# Altium PCB graviton.PcbDoc (part 11 of 15) (continued)
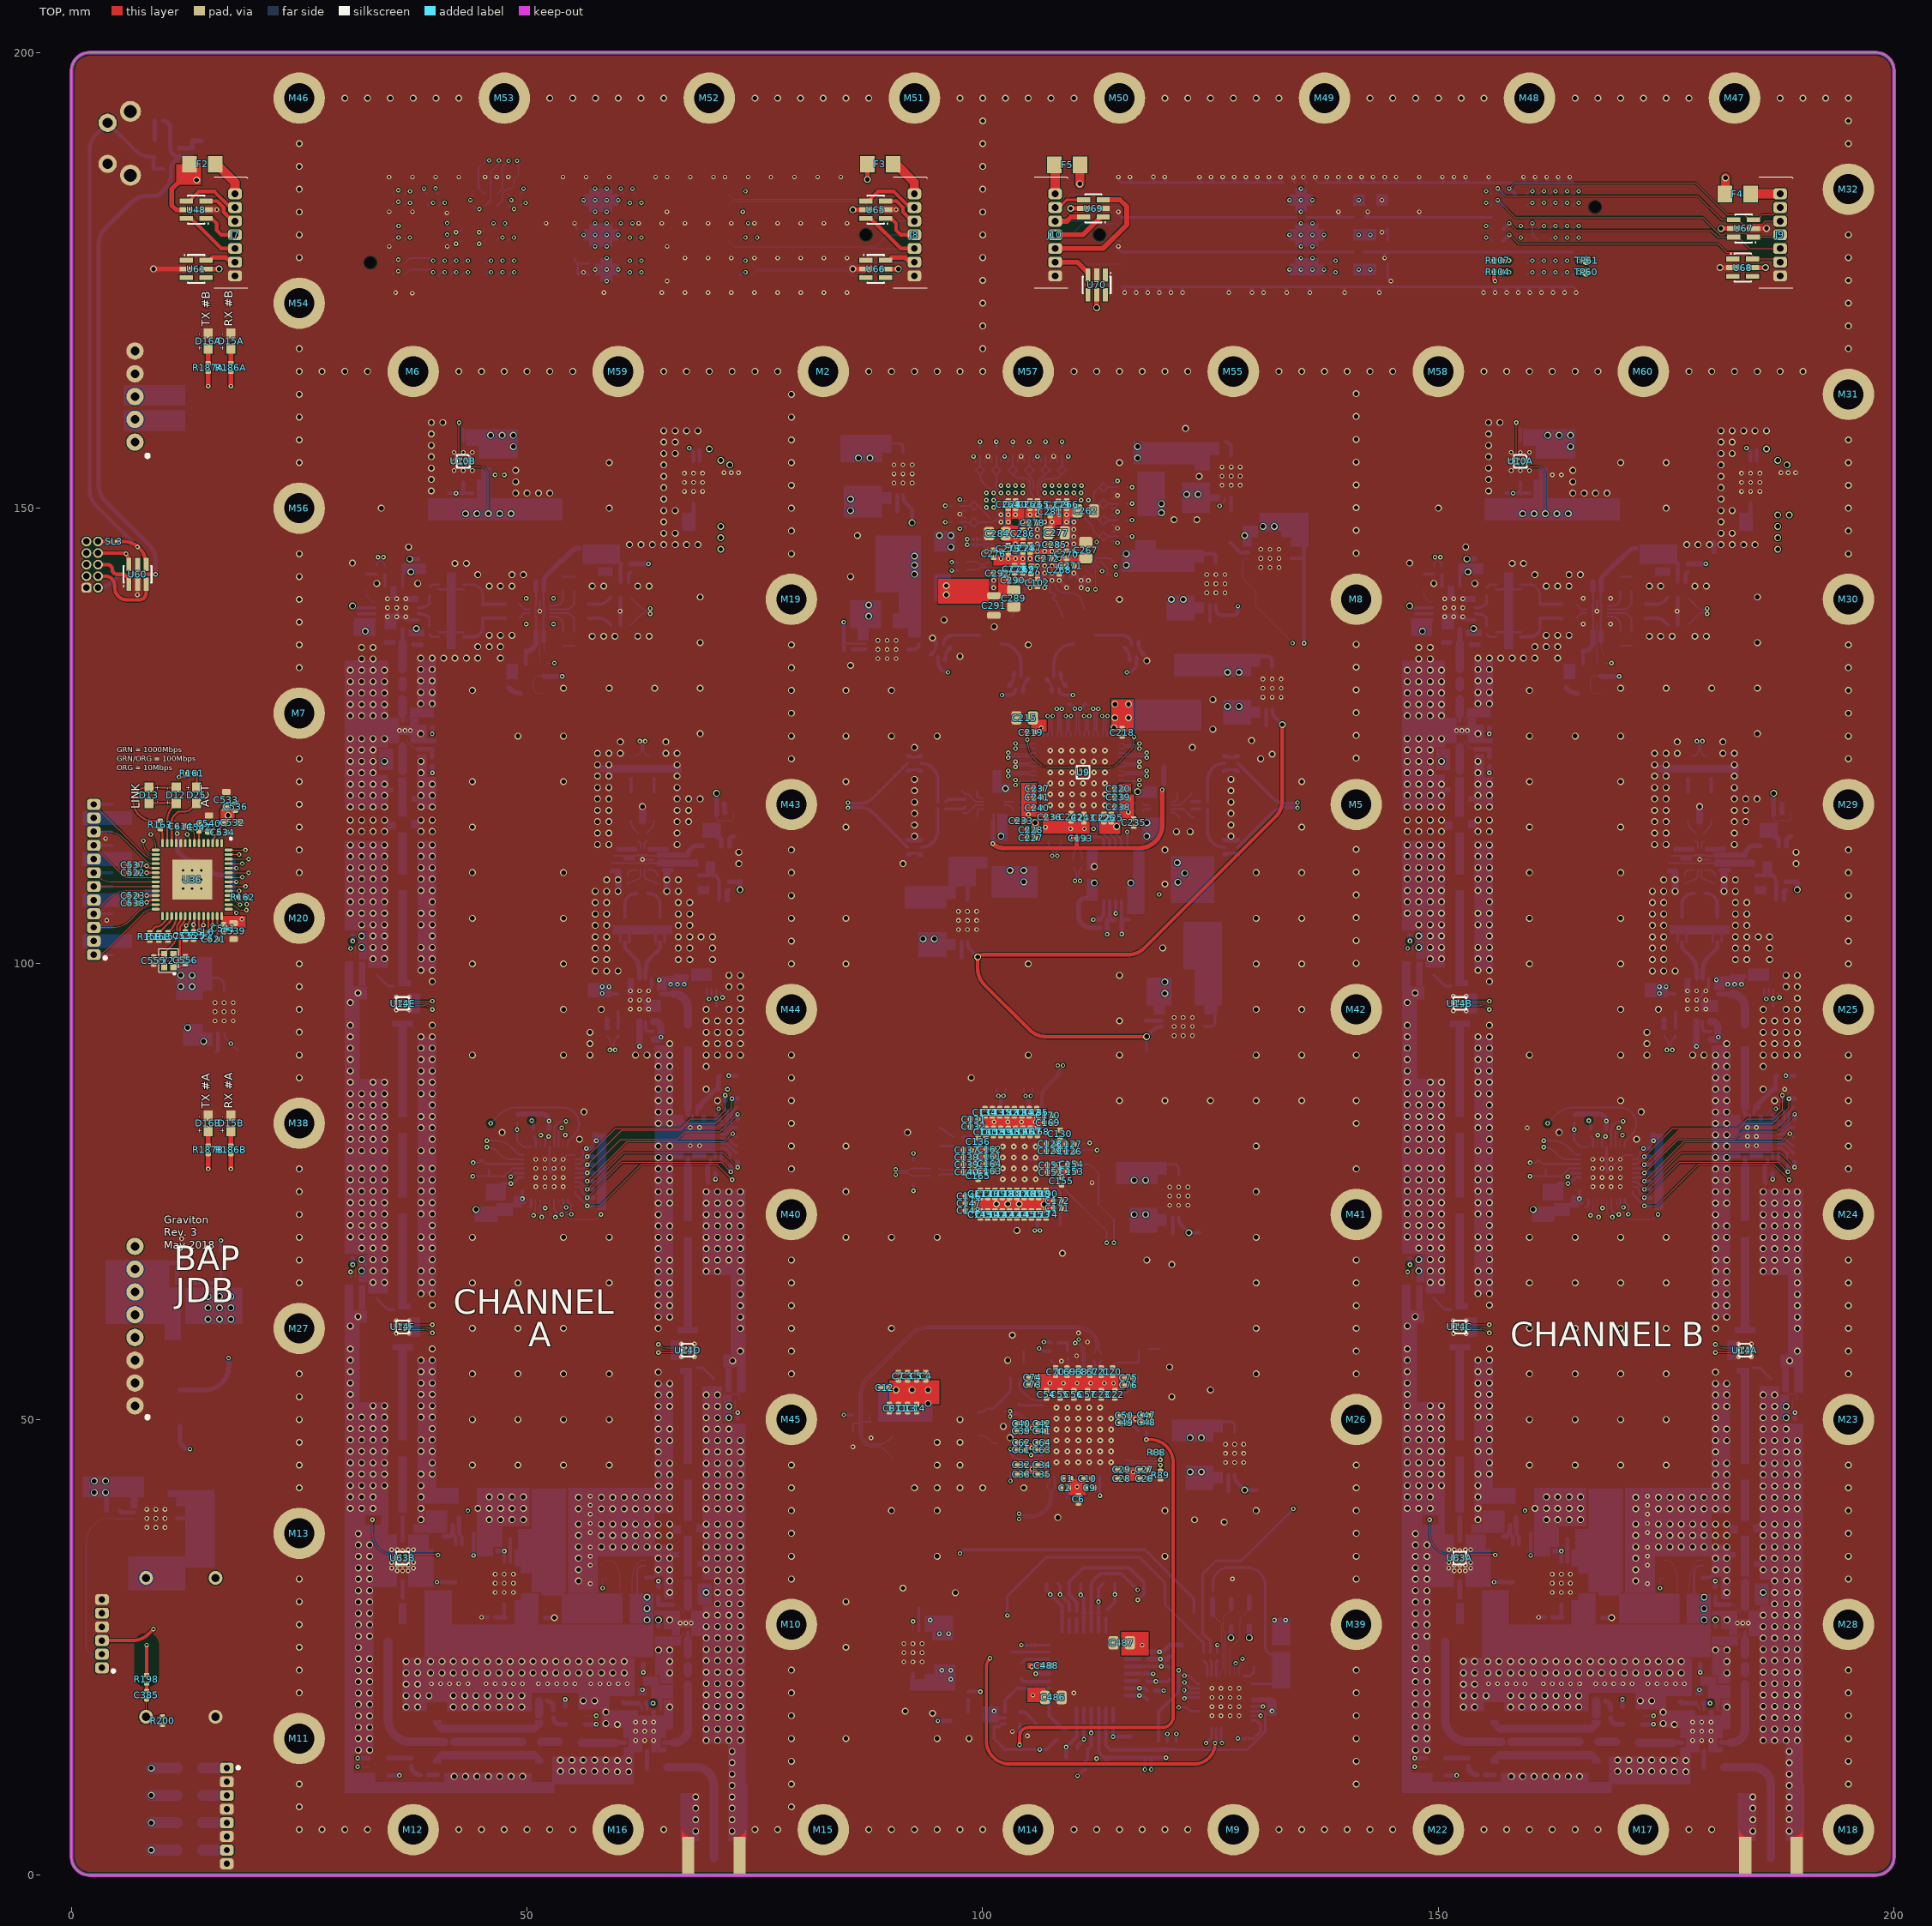
[diagram p0: TOP view]
## Nets (pads, with @x,y where several pads share a name; then routed paths per layer and width w, separated by ;. In a path a pad name is that pad's centre, name@x,y a point inside that pad or via, vN(x,y) a via of type N, cw(c..) or ccw(c..) an arc to the next point about the centre after c; other vN are vias at no path point) (continued)
RX_ENA: R39A.2 R186A.2 U18A.2 U54A.15 | length 322.7
  TOP w0.51: v3(17.5,163.39) R186A.2@17.5,165
  S1 w0.1: v3(17.5,163.39) cw(c16.51,163.39) 16.51,162.4 15.2,162.4 cw(c15.2,163.2) 14.4,163.2 14.4,189.234 cw(c15.766,189.234) 14.8,190.2 15.356,190.756 cw(c17.152,188.96) 17.152,191.5 67.093,191.5 cw(c67.093,189.793) 68.3,191 ccw(c69.024,191.724) 69.024,190.7 164.448,190.7 cw(c164.448,188.16) 166.244,189.956 176.264,179.936 cw(c174.727,178.4) 176.9,178.4 176.9,178.252 ccw(c179.44,178.252) 177.644,176.456 189.356,164.744 cw(c187.56,162.948) 190.1,162.948 190.1,101.9 187,98.8 ccw(c187.604,98.196) 186.75,98.196 v2(186.75,96.195) 186.75,95.45 cw(c185.7,95.45) 185.7,94.4 179.44,94.4 ccw(c179.44,91.86) 176.9,91.86 176.9,85.265 cw(c174.36,85.265) 174.36,82.725 v2(170.267,82.725)
  BOT w0.1: U54A.15@168.96,79.91 ccw(c168.96,79.94) U54A.15@168.99,79.94
  BOT w0.2: U54A.15@168.99,79.94 168.99,81.9 cw(c169.69,81.9) 169.195,82.395 cw(c169.992,81.599) 169.992,82.725 v2(170.267,82.725)
  BOT w0.22: R39A.2@186.75,95.34 U18A.2@186.75,97.16
RX_ENB: R39B.2 R186B.2 U18B.2 U54B.15 | length 227.2
  TOP w0.51: v3(17.5,77.5) R186B.2@17.5,79.11
  S1 w0.1: 14.253,78.053 ccw(c15.107,77.2) 13.9,77.2 ccw(c14.383,77.2) 14.041,76.859 14.2,76.7 ccw(c14.683,77.183) 14.683,76.5 15.448,76.5 ccw(c15.448,79.04) 17.244,77.244 v3(17.5,77.5) ; 14.254,78.054 19.656,83.456 ccw(c17.86,85.252) 20.4,85.252 20.4,150.848 cw(c22.94,150.848) 21.144,152.644 28.556,160.056 cw(c30.352,158.26) 30.352,160.8 49.248,160.8 cw(c49.248,158.26) 51.044,160.056 59.781,151.319 cw(c57.985,149.523) 60.525,149.523 60.525,146.2 ccw(c62.125,146.2) 62.125,144.6 68.86,144.6 cw(c68.86,142.06) 71.4,142.06 71.4,99.766 cw(c70.034,99.766) 71,98.8 ccw(c71.604,98.196) 70.75,98.196 70.75,95.45 cw(c69.7,95.45) 69.7,94.4 63.44,94.4 ccw(c63.44,91.86) 60.9,91.86 60.9,85.265 cw(c58.36,85.265) 58.36,82.725 v2(54.267,82.725)
  BOT w0.1: U54B.15@52.96,79.91 ccw(c52.96,79.94) U54B.15@52.99,79.94
  BOT w0.2: U54B.15@52.99,79.94 52.99,81.9 cw(c53.69,81.9) 53.195,82.395 cw(c53.992,81.599) 53.992,82.725 v2(54.267,82.725)
  BOT w0.22: R39B.2@70.75,95.34 U18B.2@70.75,97.16
  other v2: 70.75,96.195
RX_MIXA_N: R31A.1 U29A.8 | length 3.4
  BOT w0.356: R31A.1@179.265,107.72 179.41,107.72 cw(c179.41,106.535) 180.595,106.535 U29A.8@180.595,105.11
RX_MIXA_P: R35A.1 U27A.8 | length 3.4
  BOT w0.356: U27A.8@176.735,105.11 176.735,106.535 cw(c177.92,106.535) 177.92,107.72 R35A.1@178.065,107.72
RX_MIXB_N: R31B.1 U29B.8 | length 3.4
  BOT w0.356: R31B.1@63.265,107.72 63.41,107.72 cw(c63.41,106.535) 64.595,106.535 U29B.8@64.595,105.11
RX_MIXB_P: R35B.1 U27B.8 | length 3.4
  BOT w0.356: U27B.8@60.735,105.11 60.735,106.535 cw(c61.92,106.535) 61.92,107.72 R35B.1@62.065,107.72
SPI-A-CS_2: C472A.1 R14.1 R176A.1 TP42.1 U54A.6 | length 95.8
  S2 w0.098: v2(119,21.25) 119.45,21.25 120.2,22 120.2,24.4 122.5,26.7 124.9,26.7 133.675,35.475 133.675,54.625 137.425,58.375 149.45,58.375 150.925,59.85 153.5,59.85 154.452,58.898 157.404,58.898 159.025,60.519 159.025,75.675 v2(160.05,76.7)
  BOT w0.2: v2@159.95,76.7 v2(160.05,76.7) 161.795,76.7 ; C472A.1@161.805,77.475 161.795,77.465 161.795,76.7 ; U54A.6@165.6,77.55 164.355,77.55 163.4,76.595 163.295,76.7 161.795,76.7
  BOT w0.356: R14.1@117.995,21.3 118.045,21.25 v2(119,21.25) 120.25,21.25 TP42.1@120.5,21.5
SPI-A.MISO_2: SL13.2 U54A.9 | length 106.5
  S2 w0.1: v3(118.5,11.6) 116.6,13.5 116.6,25.2 119.8,28.4 122.65,28.4 132.225,37.975 132.225,54.02 137.177,58.973 149.202,58.973 150.678,60.448 154.59,60.448 155.148,61.006 156.823,61.006 158.35,62.533 158.35,79 159.95,80.6 v2(161.575,80.6)
  BOT w0.2: v2(161.575,80.6) 162.498,80.6 cw(c162.498,78.06) 164.294,79.856 165.1,79.05 U54A.9@165.6,79.05
  BOT w0.356: v3(118.5,11.6) SL13.2@118.5,12.215
SPI-A.SCLK_2: C471A.1 R21.1 U54A.7 | length 102.4
  S2 w0.098: v2(121.25,15.5) 121.25,17.35 117.9,20.7 117.9,24.575 120.5,27.175 124.05,27.175 133.325,36.45 133.325,54.556 137.343,58.573 149.368,58.573 150.843,60.049 153.582,60.049 154.534,59.097 157.322,59.097 158.827,60.602 158.827,76.927 v2(160.075,78.175)
  BOT w0.2: v2(160.075,78.175) 160.675,78.175 C471A.1@161,78.5 161.45,78.05 U54A.7@165.6,78.05
  BOT w0.356: R21.1@121.25,14.695 v2(121.25,15.5)
SPI-B-CS_2: C472B.1 R19.1 R176B.1 TP44.1 U54B.6 | length 129.7
  S2 w0.098: v2(44.05,76.7) 44.856,75.894 cw(c43.06,74.098) 45.6,74.098 45.6,71.866 ccw(c46.966,71.866) 45.999,70.901 ; 46,70.9 60.725,56.175 65.625,56.175 66.751,57.301 72.376,57.301 73.093,58.018 78.777,58.018 78.783,58.024 80.401,58.024 82.956,55.469 cw(c81.16,53.673) 83.7,53.673 83.7,23.452 ccw(c86.24,23.452) 84.444,21.656 92.681,13.419 ccw(c94.477,15.215) 94.477,12.675 110.975,12.675 113.5,15.2 v2(114.3,15.2)
  BOT w0.2: v2@43.95,76.7 v2(44.05,76.7) 45.795,76.7 ; C472B.1@45.805,77.475 45.795,77.465 45.795,76.7 ; U54B.6@49.6,77.55 48.355,77.55 47.4,76.595 47.295,76.7 45.795,76.7
  BOT w0.4: R19.1@114.3,16.005 v2(114.3,15.2) 116.2,15.2 TP44.1@116.25,15.25
SPI-B.MISO_2: SL14.2 U54B.9 | length 137.8
  S2 w0.095: v2(45.575,80.6) 46.956,79.219 cw(c45.16,77.423) 47.7,77.423 47.7,70.035 60.97,56.766 65.38,56.766 66.507,57.892 72.132,57.892 72.849,58.609 78.532,58.609 78.538,58.615 85.31,58.615 86.331,57.594 cw(c84.535,55.798) 87.075,55.798 87.075,39.852 ccw(c89.615,39.852) 87.819,38.056 92.906,32.969 ccw(c94.702,34.765) 94.702,32.225 101.25,32.225 ccw(c101.25,34.579) 102.914,32.914 105.756,35.756 cw(c107.552,33.96) 107.552,36.5 110.3,36.5
  S2 w0.1: 110.3,36.5 113.2,36.5 116.4,33.3 116.4,13 v3(117.8,11.6)
  BOT w0.2: v2(45.575,80.6) 46.498,80.6 cw(c46.498,78.06) 48.294,79.856 49.1,79.05 U54B.9@49.6,79.05
  BOT w0.356: v3(117.8,11.6) SL14.2@117.8,12.215
SPI-B.SCLK_2: C471B.1 R22.1 U54B.7 | length 140.9
  S2 w0.098: v2(44.075,78.175) 46.511,75.739 cw(c45.572,74.8) 46.9,74.8 46.9,70.281 60.807,56.373 65.543,56.373 66.669,57.5 72.294,57.5 73.011,58.217 78.695,58.217 78.701,58.223 81.027,58.223 83.381,55.869 cw(c81.585,54.073) 84.125,54.073 84.125,37.227 ccw(c86.665,37.227) 84.869,35.431 89.606,30.694 ccw(c91.402,32.49) 91.402,29.95 105.4,29.95 ; 105.4,30 107.1,31.7 112.2,31.7 115.6,28.3 115.6,12.2 117.1,10.7 119,10.7 119.5,11.2 119.5,14.75 v2(120.25,15.5)
  BOT w0.2: v2(44.075,78.175) 44.675,78.175 C471B.1@45,78.5 45.45,78.05 U54B.7@49.6,78.05
  BOT w0.356: R22.1@120.25,14.695 v2(120.25,15.5)
SWCLK_2: J5.6 R243.2 U59.24 U60.1 | length 253
  TOP w0.4: J5.6@2.92,143.81 3.94,143.81 cw(c3.94,143.25) 4.5,143.25 ccw(c5,143.25) 5,142.75 5.5,142.75 cw(c5.5,141.95) 6.3,141.95 U60.1@6.3,141.675
  S1 w0.1: J5.6@2.92,143.81 2.969,143.81 4.948,141.832 4.948,26.259 ccw(c5.98,26.259) 5.25,25.53 21.779,9 ; 21.78,8.999 ccw(c23.06,10.28) 23.06,8.47 66.703,8.47 ccw(c66.703,9.597) 67.5,8.8 cw(c68.26,8.04) 68.26,9.115 111.163,9.115 ccw(c111.163,11.655) 112.959,9.859 116.456,13.356 ccw(c114.66,15.152) 117.2,15.152 v2(117.2,19.7)
  BOT w0.4: U59.24@115.7,19.7 v2(117.2,19.7) 117.605,19.7 R243.2@118.055,19.25
SWDAT_2: J5.4 R239.1 U59.23 U60.3 | length 258.7
  TOP w0.4: J5.4@2.92,142.54 3.71,142.54 cw(c3.71,141.5) 4.75,141.5 ccw(c6.25,141.5) 4.77,141.253 ccw(c6.078,141.253) 6.078,139.946 7.446,139.946 ccw(c7.446,140.7) 8.2,140.7 U60.3@8.2,141.675
  S1 w0.095: J5.4@2.92,142.54 3.96,142.54 4.75,141.75 4.75,26 ccw(c5.354,26) 4.927,25.573 ; 4.927,25.573 21.859,8.641 ccw(c22.75,9.533) 22.75,8.272 67.084,8.272 cw(c67.084,7.684) 67.5,8.1 ccw(c67.741,8.341) 67.741,8 75.017,8 ccw(c75.017,8.683) 75.5,8.2 cw(c76.224,7.476) 76.224,8.5 112.348,8.5 ccw(c112.348,11.04) 114.144,9.244 117.156,12.256 ccw(c115.36,14.052) 117.9,14.052 117.9,18.81 ccw(c115.51,18.81) v2(117.2,20.5)
  BOT w0.4: U59.23@115.7,20.5 v2(117.2,20.5) 117.805,20.5 R239.1@118.055,20.25
SYNC_T_27_N: R210.1 R211.1 R212.2 U2.B5 | length 6.1
  BOT w0.178: R210.1@97.445,148.459 98.545,148.459 ; U2.B5@101.6,148.87 101.535,148.805 cw(c100.7,149.639) 100.7,148.459 99.545,148.459 ; 98.545,148.459 R211.1@99.045,148.959 99.545,148.459 ; 98.545,148.459 R212.2@99.045,147.959 99.545,148.459
SYNC_T_27_P: R207.1 R208.1 R209.2 U2.A5 | length 5.8
  BOT w0.178: R207.1@97.445,150.259 98.545,150.259 ; U2.A5@100.8,148.87 99.545,150.259 ; 98.545,150.259 R208.1@99.045,149.759 99.545,150.259 ; 98.545,150.259 R209.2@99.045,150.759 99.545,150.259
SYNCIN_T_21_N: R106.2 U21.30 | length 1.7
  BOT w0.178: R106.2@107.25,114.295 107.25,114.345 cw(c107.959,114.345) 107.458,114.846 ccw(c106.993,115.311) 107.65,115.311 U21.30@107.65,115.85
SYNCIN_T_21_P: R105.2 U21.29 | length 1.7
  BOT w0.178: U21.29@108.15,115.85 108.15,115.261 ccw(c108.685,115.261) 108.307,114.882 cw(c107.72,114.295) R105.2@108.55,114.295
SYNTH-CS_2: C115.1 R87.1 TP48.1 U7.6 | length 72.8
  S1 w0.098: v2(114.4,69.4) 113.9,69.9 112.8,69.9 112.3,69.4 112.3,61.8 115.497,58.603 115.497,31.703 v2(117,30.2)
  BOT w0.159: U7.6@107.385,78.396 109.416,78.396 109.416,78.389 109.78,78.025 C115.1@110.4,78.025 ; 110.695,78 111.75,78 112.7,77.05 112.7,73.6 114.4,71.9 v2(114.4,69.4)
  BOT w0.356: R87.1@110.3,28.945 110.3,29.95 109.5,30.75 TP48.1@109.5,32 109.5,32.2 111,33.7 116.1,33.7 117.7,32.1 117.7,30.9 v2(117,30.2)
SYNTH-RST_2: SL12.2 TP49.1 U7.11 | length 58.7
  S1 w0.098: v3(113.6,69.4) 113.6,60.781 115.695,58.685 115.695,32.605 v3(117,31.3)
  BOT w0.159: U7.11@107.385,75.896 108.354,75.896 113.6,70.65 v3(113.6,69.4)
  BOT w0.356: SL12.2@111.9,28.82 111.9,31.9 TP49.1@112,32 112,32.2 112.9,33.1 115.2,33.1 v3(117,31.3)
T1A: C377A.2 L28B.1 L32A.2 U30A.2 | length 4.4
  BOT w0.5: C377A.2@152.34,135.175 U30A.2@152.34,136.715
  BOT w0.914: L28B.1@152.34,132.35 L32A.2@152.34,134.25 C377A.2@152.34,135.175
T1B: C377B.2 L28D.1 L32B.2 U30B.2 | length 4.4
  BOT w0.5: C377B.2@36.34,135.175 U30B.2@36.34,136.715
  BOT w0.914: L28D.1@36.34,132.35 L32B.2@36.34,134.25 C377B.2@36.34,135.175
T2A: C351B.2 C352B.1 R126B.2 U55B.1
T2B: C351D.2 C352D.1 R126D.2 U55D.1
T3A: C256B.1 U55B.3
T3B: C256E.1 U55D.3
T4A: C256C.1 C257B.2 C261B.2
T4B: C256F.1 C257E.2 C261E.2
T5A: C15A.2 C257C.2 C261C.2 L3A.1
T5B: C15B.2 C257F.2 C261F.2 L3B.1
T_LDOA: U10A.B1 U54A.31 | length 99.3
  TOP w0.1: v2(158.55,159.4) 158.55,155.883 ccw(c159.233,155.883) U10A.B1@158.75,155.4
  S1 w0.1: v2(158.55,159.4) 160.256,157.694 cw(c158.46,155.898) 161,155.898 161,155.052 ccw(c163.54,155.052) 161.744,153.256 166.061,148.939 cw(c165.122,148) 166.45,148 166.45,84.645 cw(c165.255,84.645) 166.1,83.8 ccw(c167.307,82.593) 165.6,82.593 ccw(c166.481,82.593) 166.481,81.712 168.445,81.712 cw(c168.445,81.245) 168.775,81.575 cw(c168.473,81.273) 168.9,81.273 168.9,80.566 ccw(c170.266,80.566) 169.3,79.6 cw(c168.817,79.117) 169.5,79.117 169.5,73.224 ccw(c170.524,73.224) v2(169.8,72.5)
  BOT w0.2: U54A.31@168.96,74.19 168.96,73.34 ccw(c169.8,73.34) v2(169.8,72.5)
T_LDOB: U10B.B1 U54B.31 | length 100
  TOP w0.1: v2(42.55,159.4) 42.55,155.883 ccw(c43.233,155.883) U10B.B1@42.75,155.4
  S1 w0.1: v2(42.55,159.4) 44.256,157.694 cw(c42.46,155.898) 45,155.898 45,155.052 ccw(c47.54,155.052) 45.744,153.256 50.061,148.939 cw(c49.122,148) 50.45,148 50.45,84.645 cw(c49.255,84.645) 50.1,83.8 ccw(c51.307,82.593) 49.6,82.593 49.6,81.796 ccw(c49.954,81.796) 49.704,81.546 49.85,81.4 ccw(c50.232,81.782) 50.232,81.242 50.35,81.242 ccw(c50.35,81.678) 50.659,81.37 50.832,81.543 cw(c51.239,81.136) 51.239,81.712 52.445,81.712 cw(c52.445,81.245) 52.775,81.575 cw(c52.473,81.273) 52.9,81.273 52.9,80.566 ccw(c54.266,80.566) 53.3,79.6 cw(c52.817,79.117) 53.5,79.117 53.5,73.224 ccw(c54.524,73.224) v2(53.8,72.5)
  BOT w0.2: U54B.31@52.96,74.19 52.96,73.34 ccw(c53.8,73.34) v2(53.8,72.5)
T_PAA: U54A.33 U63A.B1 | length 51.7
  TOP w0.095: U63A.B1@152.595,35.05 cw(c153.078,34.567) 153.078,35.25 155.948,35.25 cw(c155.948,34.823) v3(156.25,35.125)
  S1 w0.095: v3(156.25,35.125) 156.25,39.723 cw(c158.79,39.723) 156.994,41.519 158.2,42.725 ccw(c156.691,44.234) 158.825,44.234 158.825,69.373 cw(c161.365,69.373) 159.569,71.169 159.75,71.35 cw(c160.832,70.268) 160.832,71.798 167.625,71.798 ccw(c167.625,72.273) 168.1,72.273 168.1,72.959 ccw(c167.759,72.959) v2(168,73.2)
  BOT w0.1: v2@167.96,73.26 U54A.33@167.96,74.19
T_PAB: U54B.33 U63B.B1 | length 51.7
  TOP w0.095: U63B.B1@36.595,35.05 cw(c37.078,34.567) 37.078,35.25 39.948,35.25 cw(c39.948,34.823) v3(40.25,35.125)
  S1 w0.095: v3(40.25,35.125) 40.25,39.723 cw(c42.79,39.723) 40.994,41.519 42.2,42.725 ccw(c40.691,44.234) 42.825,44.234 42.825,69.373 cw(c45.365,69.373) 43.569,71.169 43.75,71.35 cw(c44.832,70.268) 44.832,71.798 51.625,71.798 ccw(c51.625,72.273) 52.1,72.273 52.1,72.959 ccw(c51.759,72.959) v2(52,73.2)
  BOT w0.1: v2@51.96,73.26 U54B.33@51.96,74.19
T_PRE_RXA: U14A.B1 U54A.30 | length 27.7
  TOP w0.1: v2@180.45,58.25 ccw(c181.421,59.221) 181.421,57.848 U14A.B1@183.4,57.848 U14A.B1@183.4,57.919
  S1 w0.1: v2(174.1,72.5) 175.305,71.295 cw(c174.11,70.1) 175.8,70.1 175.8,60.79 ccw(c178.34,60.79) 178.34,58.25 v2@180.375,58.25
  BOT w0.1: U54A.30@169.46,74.19 ccw(c171.02,74.19) 169.917,73.087 170.388,72.616 cw(c170.246,72.475) 170.446,72.475 ccw(c170.921,72.475) 170.921,72 173.4,72 ccw(c173.4,72.483) 173.741,72.141 v2(174.1,72.5)
  other v2: 180.4,58.25
T_PRE_RXB: U14D.B1 U54B.30 | length 27.7
  TOP w0.1: v2@64.45,58.25 ccw(c65.421,59.221) 65.421,57.848 U14D.B1@67.4,57.848 U14D.B1@67.4,57.919
  S1 w0.1: v2(58.1,72.5) 59.305,71.295 cw(c58.11,70.1) 59.8,70.1 59.8,60.79 ccw(c62.34,60.79) 62.34,58.25 v2@64.375,58.25
  BOT w0.1: U54B.30@53.46,74.19 ccw(c55.02,74.19) 53.917,73.087 54.388,72.616 cw(c54.246,72.475) 54.446,72.475 ccw(c54.921,72.475) 54.921,72 57.4,72 ccw(c57.4,72.483) 57.741,72.141 v2(58.1,72.5)
  other v2: 64.4,58.25
T_PRE_TX2A: U14B.B1 U54A.34 | length 36.5
  TOP w0.1: U14B.B1@152.6,95.331 U14B.B1@152.6,95.402 154.579,95.402 cw(c154.579,94.029) v2@155.55,95
  S1 w0.1: v2(155.6,95) 161.56,95 cw(c161.56,92.46) 164.1,92.46 164.1,79.352 ccw(c166.64,79.352) 164.844,77.556 165.734,76.666 cw(c164.369,75.3) 166.3,75.3 ccw(c167.507,75.3) 166.654,74.446 166.856,74.244 cw(c165.06,72.448) 167.6,72.448 v2(167.6,72.2)
  BOT w0.1: U54A.34@167.46,74.19 167.46,72.538 ccw(c167.938,72.538) v2(167.6,72.2)
T_PRE_TX2B: U14E.B1 U54B.34 | length 36.5
  TOP w0.1: U14E.B1@36.6,95.331 U14E.B1@36.6,95.402 38.579,95.402 cw(c38.579,94.029) v2@39.55,95
  S1 w0.1: v2(39.6,95) 45.56,95 cw(c45.56,92.46) 48.1,92.46 48.1,79.352 ccw(c50.64,79.352) 48.844,77.556 49.734,76.666 cw(c48.369,75.3) 50.3,75.3 ccw(c51.507,75.3) 50.654,74.446 50.856,74.244 cw(c49.06,72.448) 51.6,72.448 v2(51.6,72.2)
  BOT w0.1: U54B.34@51.46,74.19 51.46,72.538 ccw(c51.938,72.538) v2(51.6,72.2)
T_PRE_TX3A: U14C.B1 U54A.35 | length 27.4
  TOP w0.1: U14C.B1@152.5,59.902 U14C.B1@152.6,59.902 ; U14C.B1@152.6,59.831 U14C.B1@152.6,59.902 ; v2@155.55,59.5 ccw(c154.579,58.529) 154.579,59.902 U14C.B1@152.6,59.902
  S1 w0.1: v2(155.6,59.5) 155.95,59.5 ccw(c155.95,61.775) 158.225,61.775 158.225,70.675 cw(c159.95,70.675) 159.95,72.4 v2(166.7,72.4)
  BOT w0.1: v2(166.7,72.4) ccw(c166.072,73.028) 166.96,73.028 U54A.35@166.96,74.19
T_PRE_TX3B: U14F.B1 U54B.35 | length 27.4
  TOP w0.1: U14F.B1@36.5,59.902 U14F.B1@36.6,59.902 ; U14F.B1@36.6,59.831 U14F.B1@36.6,59.902 ; v2@39.55,59.5 ccw(c38.579,58.529) 38.579,59.902 U14F.B1@36.6,59.902
  S1 w0.1: v2(39.6,59.5) 39.95,59.5 ccw(c39.95,61.775) 42.225,61.775 42.225,70.675 cw(c43.95,70.675) 43.95,72.4 v2(50.7,72.4)
  BOT w0.1: v2(50.7,72.4) ccw(c50.072,73.028) 50.96,73.028 U54B.35@50.96,74.19
TELEM-CS_2: SL9.2 TP1.1 U5.6 | length 57.3
  S2 w0.098: v2(112.7,30) 115.1,27.6 115.1,12 116.8,10.3 119.4,10.3 122.3,13.2 122.3,18.6 121.5,19.4 121.5,21.802 121.998,22.3 123.1,22.3 124.2,21.2 124.2,17.8 125.3,16.7 130.4,16.7 131,17.3 131,18.25 v3(130.75,18.5)
  BOT w0.28: U5.6@129.5,18.5 v3(130.75,18.5)
  BOT w0.356: SL9.2@112.7,28.82 v2(112.7,30) 112.7,31.45 TP1.1@113.25,32
TELEM-SPI.MISO_2: SL18.2 U5.9 | length 3.5
  BOT w0.28: SL18.2@129.285,15 129.713,15 130.5,15.787 130.5,16.5 130,17 U5.9@129.5,17
TI1A_N: FL4A.3 R109A.1 R111A.1 | length 2.7
  BOT w0.356: R111A.1@172.735,137.92 R109A.1@173.955,137.92 cw(c173.955,136.713) 174.808,137.567 FL4A.3@175.175,137.2
TI1A_P: FL3A.3 R97A.1 R109A.2 | length 2.7
  BOT w0.356: R97A.1@172.735,139.48 R109A.2@173.955,139.48 ccw(c173.955,140.687) 174.809,139.834 FL3A.3@175.175,140.2
TI1B_N: FL4B.3 R109B.1 R111B.1 | length 2.7
  BOT w0.356: R111B.1@56.735,137.92 R109B.1@57.955,137.92 cw(c57.955,136.713) 58.808,137.567 FL4B.3@59.175,137.2
TI1B_P: FL3B.3 R97B.1 R109B.2 | length 2.7
  BOT w0.356: R97B.1@56.735,139.48 R109B.2@57.955,139.48 ccw(c57.955,140.687) 58.809,139.834 FL3B.3@59.175,140.2
TI2A_N: R111A.2 R112A.1 U22A.6 | length 4.3
  BOT w0.2: U22A.6@168.55,138.5 170.334,138.5 cw(c170.334,137.871) 170.779,138.316 R111A.2@171.175,137.92 171.175,136.552 ccw(c171.277,136.552) R112A.1@171.205,136.48
TI2A_P: R97A.2 R98A.1 U22A.5 | length 4.3
  BOT w0.2: U22A.5@168.55,138.9 170.334,138.9 ccw(c170.334,139.529) 170.779,139.084 R97A.2@171.175,139.48 171.175,140.848 cw(c171.277,140.848) R98A.1@171.205,140.92
TI2B_N: R111B.2 R112B.1 U22B.6 | length 4.3
  BOT w0.2: U22B.6@52.55,138.5 54.334,138.5 cw(c54.334,137.871) 54.779,138.316 R111B.2@55.175,137.92 55.175,136.552 ccw(c55.277,136.552) R112B.1@55.205,136.48
TI2B_P: R97B.2 R98B.1 U22B.5 | length 4.3
  BOT w0.2: U22B.5@52.55,138.9 54.334,138.9 ccw(c54.334,139.529) 54.779,139.084 R97B.2@55.175,139.48 55.175,140.848 cw(c55.277,140.848) R98B.1@55.205,140.92
TI3A_N: R112A.2 R113A.1 | length 1.3
  BOT w0.2: R113A.1@169.955,134.92 R112A.2@171.205,134.92
TI3A_P: R98A.2 R99A.1 | length 1.3
  BOT w0.2: R99A.1@169.955,142.48 R98A.2@171.205,142.48
TI3B_N: R112B.2 R113B.1 | length 1.3
  BOT w0.2: R113B.1@53.955,134.92 R112B.2@55.205,134.92
TI3B_P: R98B.2 R99B.1 | length 1.3
  BOT w0.2: R99B.1@53.955,142.48 R98B.2@55.205,142.48
TI4A_N: R113A.2 U22A.7 | length 2.6
  BOT w0.2: U22A.7@168.55,138.1 169.055,138.1 cw(c169.055,137.2) 169.955,137.2 R113A.2@169.955,136.48
TI4A_P: R99A.2 U22A.4 | length 2.9
  BOT w0.2: U22A.4@168.55,139.3 169.055,139.3 ccw(c169.055,140.2) 169.955,140.2 R99A.2@169.955,140.92 ccw(c170.196,140.679) R99A.2@169.855,140.679
TI4B_N: R113B.2 U22B.7 | length 2.6
  BOT w0.2: U22B.7@52.55,138.1 53.055,138.1 cw(c53.055,137.2) 53.955,137.2 R113B.2@53.955,136.48
TI4B_P: R99B.2 U22B.4 | length 2.9
  BOT w0.2: U22B.4@52.55,139.3 53.055,139.3 ccw(c53.055,140.2) 53.955,140.2 R99B.2@53.955,140.92 ccw(c54.196,140.679) R99B.2@53.855,140.679
TI5A_P: R100A.1 U22A.13 | length 1.3
  BOT w0.2: R100A.1@165.136,139.48 165.678,138.938 ccw(c165.771,139.031) 165.771,138.9 U22A.13@166.25,138.9
TI5B_P: R100B.1 U22B.13 | length 1.3
  BOT w0.2: R100B.1@49.136,139.48 49.678,138.938 ccw(c49.771,139.031) 49.771,138.9 U22B.13@50.25,138.9
TI6A_P: R114A.1 U22A.12 | length 1.3
  BOT w0.2: R114A.1@165.136,137.92 165.678,138.462 cw(c165.771,138.369) 165.771,138.5 U22A.12@166.25,138.5
TI6B_P: R114B.1 U22B.12 | length 1.3
  BOT w0.2: R114B.1@49.136,137.92 49.678,138.462 cw(c49.771,138.369) 49.771,138.5 U22B.12@50.25,138.5
TI_VCCA: C323A.2 C324A.2 C325A.2 C326A.2 C327A.2 L25A.1 U22A.1 U22A.10 | length 8.6
  BOT w0.2: C324A.2@166.955,140.95 cw(c166.846,140.841) 167,140.841 U22A.1@167,139.85 167,139.413 166.925,139.338 166.925,138.182 167,138.107 U22A.10@167,137.55
  BOT w0.4: L25A.1@165.875,132.9 C327A.2@165.875,134.3 ; C325A.2@166.955,135.38 C325A.2@166.955,135.45
  BOT w0.54: C327A.2@165.875,134.3 ccw(c165.875,135.38) C325A.2@166.955,135.38 ; C325A.2@166.955,135.45 C323A.2@166.955,136.45 ; C324A.2@166.955,140.95 C326A.2@166.955,141.95
TI_VCCB: C323B.2 C324B.2 C325B.2 C326B.2 C327B.2 L25B.1 U22B.1 U22B.10 | length 8.6
  BOT w0.2: C324B.2@50.955,140.95 cw(c50.846,140.841) 51,140.841 U22B.1@51,139.85 51,139.413 50.925,139.338 50.925,138.182 51,138.107 U22B.10@51,137.55
  BOT w0.4: L25B.1@49.875,132.9 C327B.2@49.875,134.3 ; C325B.2@50.955,135.38 C325B.2@50.955,135.45
  BOT w0.54: C327B.2@49.875,134.3 ccw(c49.875,135.38) C325B.2@50.955,135.38 ; C325B.2@50.955,135.45 C323B.2@50.955,136.45 ; C324B.2@50.955,140.95 C326B.2@50.955,141.95
TI_VSSA: C329A.2 C330A.2 C331A.2 C332A.2 C333A.2 L26A.1 R119A.1 U22A.3 U22A.8 | length 12.5
  BOT w0.1: C332A.2@167.845,135.45 167.845,134.845 ccw(c169.04,134.845) R119A.1@168.195,134
  BOT w0.2: U22A.8@167.8,137.55 167.8,138.107 167.875,138.182 167.875,139.338 167.8,139.413 U22A.3@167.8,139.85 167.8,140.841 cw(c167.954,140.841) C329A.2@167.845,140.95
  BOT w0.54: C332A.2@167.845,135.45 C330A.2@167.845,136.45 ; C329A.2@167.845,140.95 C331A.2@167.845,141.95 cw(c168.799,141.95) 168.124,142.624 C333A.2@169.8,144.3 ; C333A.2@169.825,144.2 170.91,145.285 cw(c171.67,144.526) L26A.1@171.67,145.6
TI_VSSB: C329B.2 C330B.2 C331B.2 C332B.2 C333B.2 L26B.1 R119B.1 U22B.3 U22B.8 | length 12.5
  BOT w0.1: C332B.2@51.845,135.45 51.845,134.845 ccw(c53.04,134.845) R119B.1@52.195,134
  BOT w0.2: U22B.8@51.8,137.55 51.8,138.107 51.875,138.182 51.875,139.338 51.8,139.413 U22B.3@51.8,139.85 51.8,140.841 cw(c51.954,140.841) C329B.2@51.845,140.95
  BOT w0.54: C332B.2@51.845,135.45 C330B.2@51.845,136.45 ; C329B.2@51.845,140.95 C331B.2@51.845,141.95 cw(c52.799,141.95) 52.124,142.624 C333B.2@53.8,144.3 ; C333B.2@53.825,144.2 54.91,145.285 cw(c55.67,144.526) L26B.1@55.67,145.6
TM_FA_N: R44A.1 R91A.2 U30A.18 | length 2.3
  BOT w0.25: R44A.1@155.29,139.53 R91A.2@155.29,140.43
  BOT w0.32: U30A.18@154.05,139.075 154.192,139.075 ccw(c154.192,140.628) R44A.1@155.29,139.53
TM_FA_P: R44A.2 R90A.2 U30A.19 | length 2.3
  BOT w0.25: R90A.2@155.29,137.075 R44A.2@155.29,137.97
  BOT w0.32: U30A.19@154.05,138.425 154.192,138.425 cw(c154.192,136.872) R44A.2@155.29,137.97
TM_FB_N: R44B.1 R91B.2 U30B.18 | length 2.3
  BOT w0.25: R44B.1@39.29,139.53 R91B.2@39.29,140.43
  BOT w0.32: U30B.18@38.05,139.075 38.192,139.075 ccw(c38.192,140.628) R44B.1@39.29,139.53
TM_FB_P: R44B.2 R90B.2 U30B.19 | length 2.3
  BOT w0.25: R90B.2@39.29,137.075 R44B.2@39.29,137.97
  BOT w0.32: U30B.19@38.05,138.425 38.192,138.425 cw(c38.192,136.872) R44B.2@39.29,137.97
TMA_N: R100A.2 R110A.2 U32A.8 | length 6.2
  BOT w0.25: U32A.8@159.05,141.61 160.006,141.61 cw(c160.006,140.48) 161.136,140.48 R110A.2@161.136,139.48
  BOT w0.356: R110A.2@161.136,139.48 R100A.2@163.576,139.48
TMA_P: R110A.1 R114A.2 U31A.8 | length 6.1
  BOT w0.356: U31A.8@159.05,135.89 160.106,135.89 ccw(c160.106,136.92) 161.136,136.92 R110A.1@161.136,137.92 R114A.2@163.576,137.92
TMB_N: R100B.2 R110B.2 U32B.8 | length 6.2
  BOT w0.25: U32B.8@43.05,141.61 44.006,141.61 cw(c44.006,140.48) 45.136,140.48 R110B.2@45.136,139.48
  BOT w0.356: R110B.2@45.136,139.48 R100B.2@47.576,139.48
TMB_P: R110B.1 R114B.2 U31B.8 | length 6.1
  BOT w0.356: U31B.8@43.05,135.89 44.106,135.89 ccw(c44.106,136.92) 45.136,136.92 R110B.1@45.136,137.92 R114B.2@47.576,137.92
TX-A.S_2_N: FL4A.1 TP67.C | length 80.3
  S2 w0.089: v3(115.8,132) 112.3,132 cw(c113.507,133.207) 111.8,133.207 111.8,133.534 cw(c113.166,133.534) 112.2,134.5 113.193,135.493 cw(c115.133,133.554) 115.133,136.297 144.639,136.297 ccw(c144.639,138.186) 145.975,136.85 cw(c146.933,135.892) 146.933,137.247 152.961,137.247 ccw(c152.961,139.99) 154.9,138.05 155.506,138.656 cw(c157.302,136.86) 157.302,139.4 176.571,139.4 cw(c176.571,137.971) 177.581,138.981 ccw(c178.506,139.906) 178.506,138.598 179.055,138.598 cw(c179.055,137.97) v2@179.5,138.414
  BOT w0.159: FL4A.1@177.375,137.2 178.399,138.224 cw(c179.25,137.372) 179.25,138.576 cw(c179.25,138.364) 179.4,138.514 v2@179.5,138.414
  BOT w0.356: v3(115.8,132) ccw(c115.8,133.088) 116.888,133.088 TP67.C@116.888,133.634
  other v2: 179.5,138.402
TX-A.S_2_P: FL3A.1 TP59.C | length 80.3
  S2 w0.089: v3(109.9,129.5) 112.086,131.686 ccw(c111.915,131.856) 112.156,131.856 cw(c113.507,133.207) 111.597,133.207 111.597,133.534 cw(c113.166,133.534) 112.056,134.644 113.169,135.756 cw(c114.965,133.96) 114.965,136.5 144.639,136.5 ccw(c144.639,138.186) 145.831,136.994 cw(c146.933,135.892) 146.933,137.45 152.961,137.45 ccw(c152.961,139.99) 154.757,138.194 155.362,138.8 cw(c157.302,136.86) 157.302,139.603 176.571,139.603 cw(c176.571,137.971) 177.725,139.125 ccw(c178.506,139.906) 178.506,138.802 179.055,138.802 ccw(c179.055,139.43) v2@179.5,138.986
  BOT w0.159: FL3A.1@177.375,140.2 178.399,139.176 ccw(c179.25,140.028) 179.25,138.824 ccw(c179.25,139.036) 179.4,138.886 v2@179.5,138.986
  BOT w0.356: TP59.C@108.358,130.187 ccw(c109.045,130.187) 109.045,129.5 v3(109.9,129.5)
  other v2: 179.5,138.998
TX-B.S_2_N: FL4B.1 TP30.C | length 49.1
  S2 w0.089: v2(63.5,138.402) cw(c63.975,137.926) 63.975,138.598 71.35,138.598 cw(c71.35,136.058) 73.146,137.854 74.1,136.9 ccw(c75.315,138.115) 75.315,136.397 97.318,136.397 cw(c97.318,134.018) 99,135.7 99.905,134.795 cw(c98.71,133.6) 100.4,133.6 100.4,133.566 cw(c99.034,133.566) 100,132.6 cw(c98.551,134.049) 98.551,132 v3(96.2,132)
  BOT w0.159: FL4B.1@61.375,137.2 62.399,138.224 cw(c63.25,137.372) 63.25,138.576 cw(c63.25,138.364) 63.4,138.514 v2@63.5,138.414
  BOT w0.356: TP30.C@95.112,133.634 95.112,133.088 ccw(c96.2,133.088) v3(96.2,132)
TX-B.S_2_P: FL3B.1 TP28.C | length 49
  S2 w0.089: v2(63.5,138.998) ccw(c63.975,139.474) 63.975,138.802 71.35,138.802 cw(c71.35,136.058) 73.289,137.998 74.244,137.044 ccw(c75.315,138.115) 75.315,136.6 97.318,136.6 cw(c97.318,134.018) 99.144,135.844 100.049,134.939 cw(c98.71,133.6) 100.603,133.6 100.603,133.566 cw(c99.034,133.566) 100.144,132.456 ccw(c102.558,132.456) 100.851,130.749 v3(102.1,129.5)
  BOT w0.159: FL3B.1@61.375,140.2 62.399,139.176 ccw(c63.25,140.028) 63.25,138.824 ccw(c63.25,139.036) 63.4,138.886 v2@63.5,138.986
  BOT w0.356: v3(102.1,129.5) 102.955,129.5 ccw(c102.955,130.187) TP28.C@103.642,130.187
TX-EN_2: TP4.1 U2.N9 U5.21 | length 176.1
  S1 w0.1: v3(112.5,146.3) 112.5,146.222 108.804,142.526 108.804,141.604 105.7,138.5 105.7,137.382 96.799,128.481 96.799,106.649 96.331,106.181 96.331,55.805 100.601,51.535 100.601,32.599 107.001,26.199 107.001,15.301 105.85,14.15 105.85,13.633 107.98,11.502 113.448,11.502 115.798,13.852 115.798,20.652 116.523,21.377 118.023,21.377 121,18.4 v3(121.5,18.4)
  BOT w0.1: U2.N9@110.4,145.67 110.432,145.702 cw(c111.2,144.934) 111.2,146.02 111.203,146.02 cw(c111.203,143.903) TP4.1@112.7,145.4 112.7,145.817 ccw(c112.017,145.817) v3(112.5,146.3)
  BOT w0.25: v3(121.5,18.4) 122.4,18.4 122.8,18 U5.21@123.78,18
TX-LO-A.C_2_N: C209A.2 U7.48 | length 106.4
  S2 w0.089: v2@149.647,144.65 ccw(c149.202,145.095) 149.831,145.095 149.831,145.725
  S2 w0.098: v3(108.81,88.85) cw(c109.243,89.283) 108.63,89.283 108.63,107.03 ccw(c105.877,107.03) 107.824,108.977 103.744,113.057 cw(c105.54,114.853) 103,114.853 103,116.865 ccw(c101.465,116.865) 102.55,117.95 102.444,118.057 cw(c104.24,119.853) 101.7,119.853 101.7,124.348 cw(c104.24,124.348) 102.444,126.144 113.45,137.15 cw(c114.717,135.883) 113.451,137.151 cw(c114.717,135.883) 114.717,137.675 132.561,137.675 ccw(c132.561,140.428) 134.507,138.481 139.332,143.306 cw(c141.128,141.51) 141.128,144.05 143.475,144.05 ccw(c143.475,145.319) 144.373,144.422 145.875,145.925 cw(c147.265,144.535) 147.265,146.5 149.056,146.5 cw(c149.056,145.725) 149.831,145.725
  BOT w0.159: U7.48@106.75,81.531 106.75,81.812 ccw(c106.319,81.812) 106.624,82.117 106.624,85.533 cw(c107.567,85.533) 106.9,86.2 108.186,87.486 ccw(c107.073,88.6) 108.648,88.6 cw(c108.86,88.6) 108.71,88.75 v3(108.81,88.85) ; C209A.2@149.475,143.58 cw(c150.318,143.58) 149.722,144.176 ccw(c149.513,144.386) 149.809,144.386 149.809,144.575 149.795,144.589 ccw(c149.647,144.44) v2@149.647,144.65
  other v2: 149.634,144.637